# Altium PCB UmTRXv21.PcbDoc (part 17 of 19)
Units mm, origin at the board's own origin, x right, y up, seen from the top; angles counter-clockwise.
Board outline 159.5 x 99.5 mm, 6 copper layers (Top Layer, GND, MidLayer1, Mid-Layer 2, InternalPlane2, Bottom Layer), stack 1.526 mm thick; 716 components, 578 nets, 2850 pads, 1402 vias.
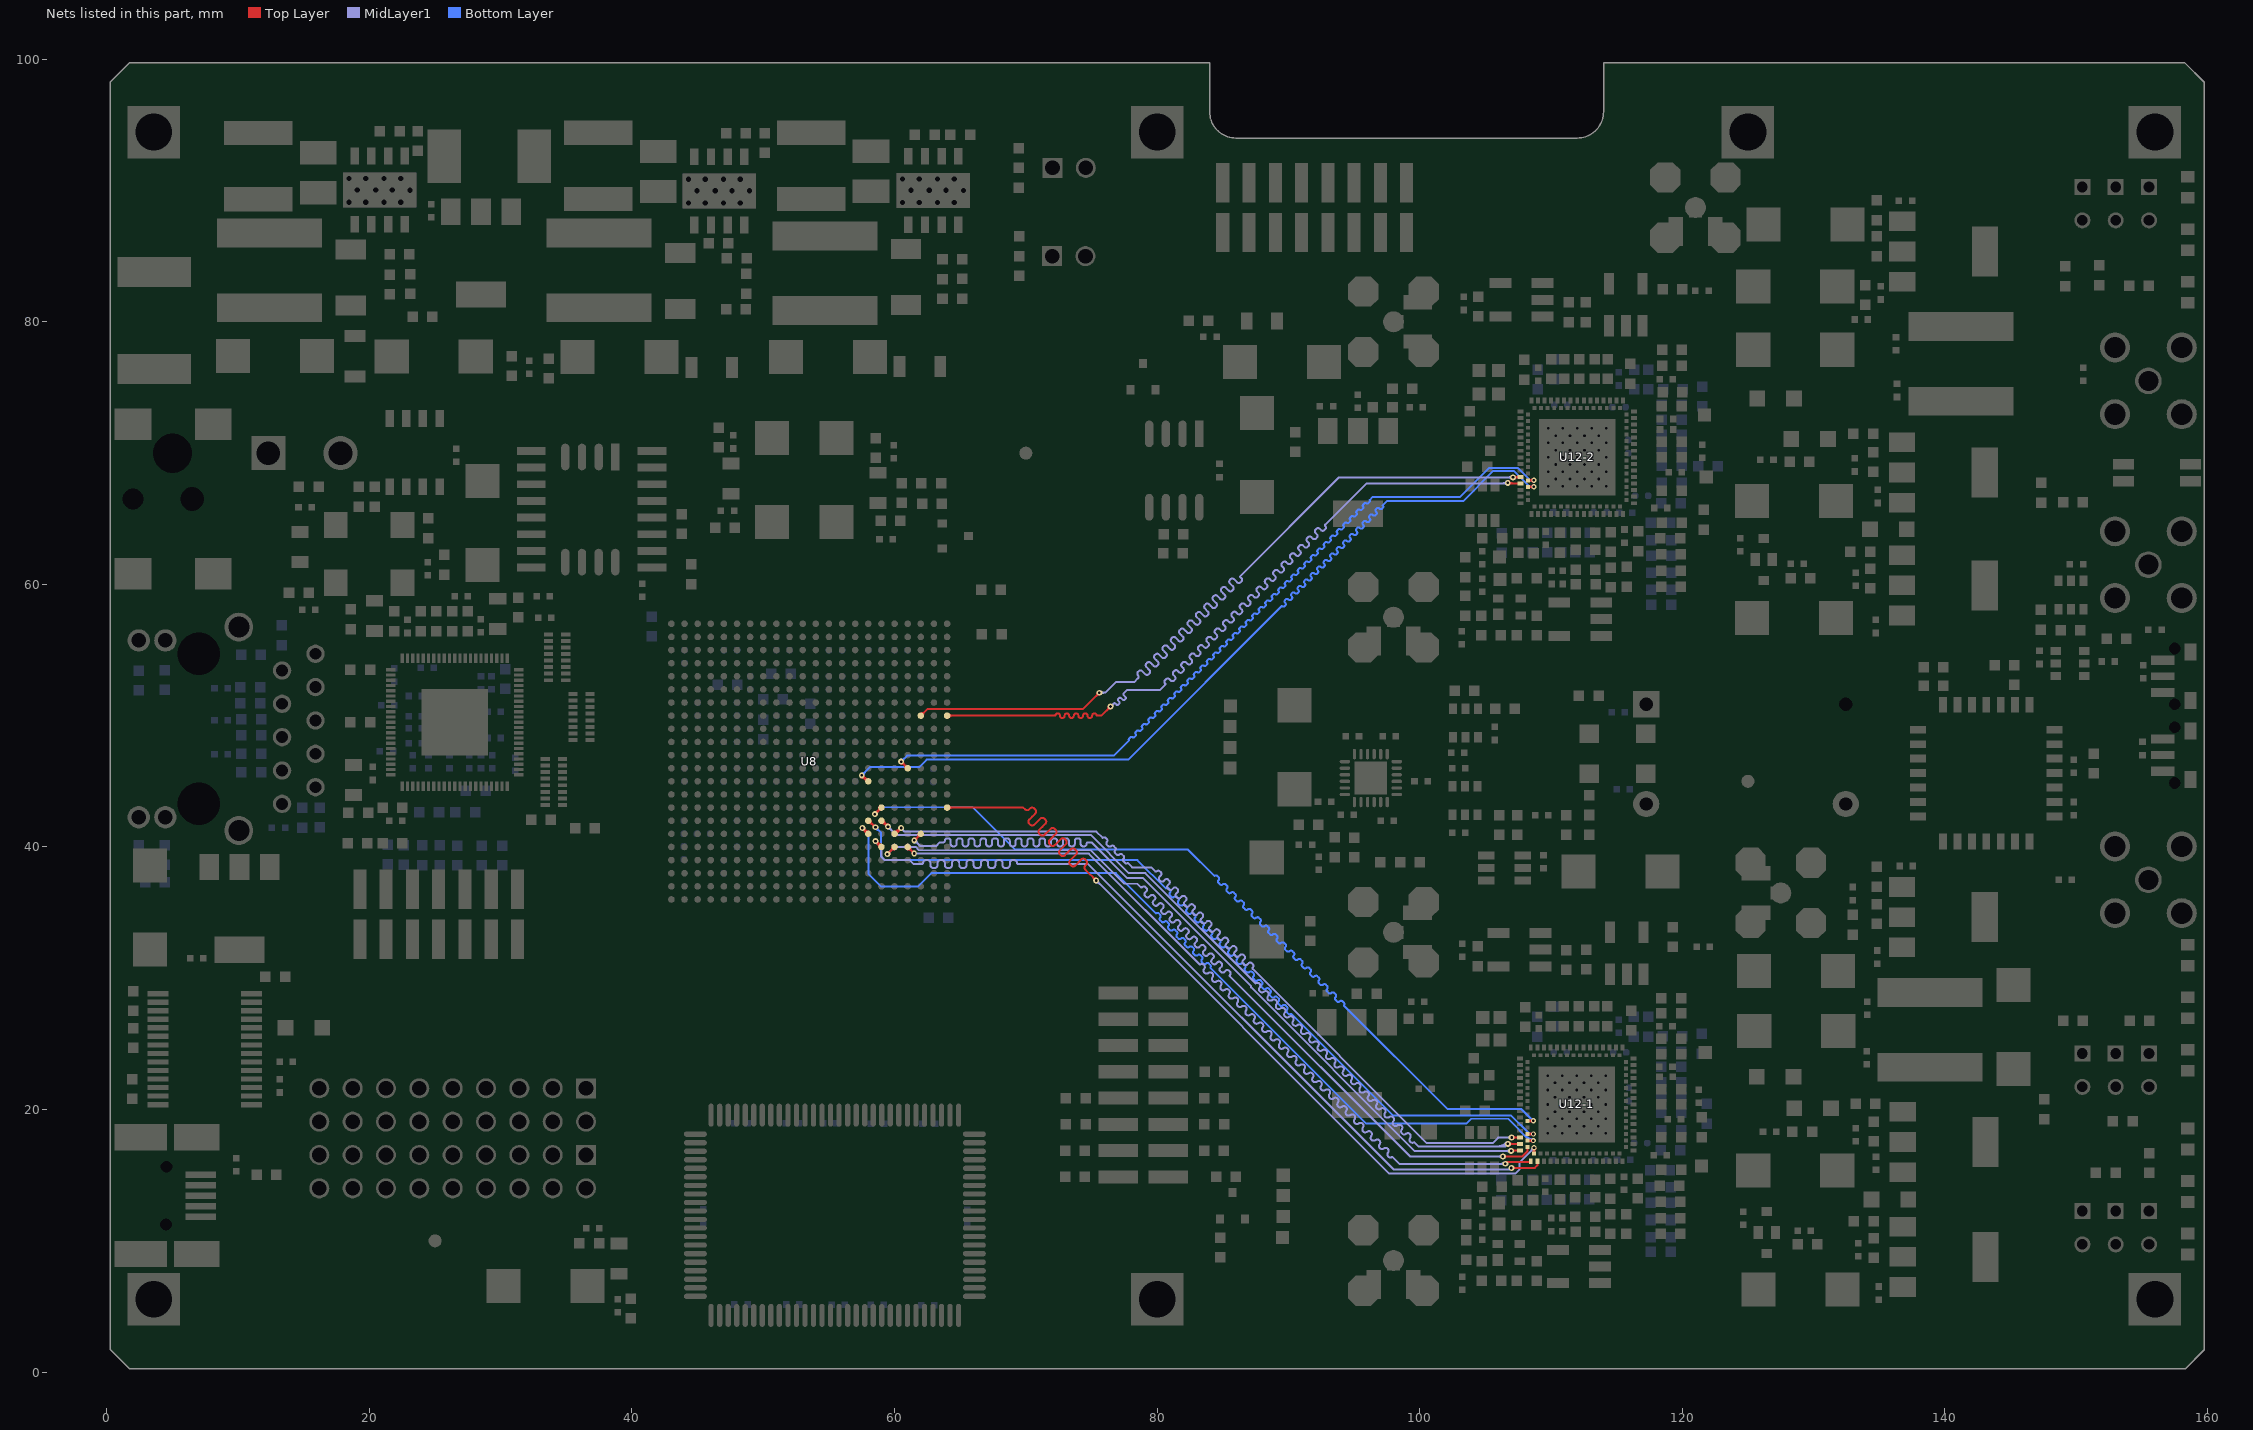
[diagram p21: the nets of this part, all layers, seen from the top]

## Via types
v1: diameter 0.45, hole 0.2, Top Layer to Bottom Layer, tented both sides, 440 vias
v2: diameter 0.5, hole 0.2, Top Layer to Bottom Layer, tented both sides, 423 vias
v3: diameter 0.7, hole 0.3, Top Layer to Bottom Layer, tented both sides, 257 vias
v4: diameter 0.4, hole 0.2, Top Layer to Bottom Layer, tented both sides, 197 vias
v5: diameter 0.8, hole 0.3, Top Layer to Bottom Layer, tented both sides, 63 vias
v6: diameter 0.6, hole 0.25, Top Layer to Bottom Layer, tented both sides, 16 vias
v7: diameter 0.6, hole 0.3, Top Layer to Bottom Layer, tented both sides, 4 vias
v8: diameter 1, hole 0.5, Top Layer to Bottom Layer, tented both sides, 2 vias

## Nets (pads, with @x,y where several pads share a name; then routed paths per layer and width w, separated by ;. In a path a pad name is that pad's centre, name@x,y a point inside that pad or via, vN(x,y) a via of type N, cw(c..) or ccw(c..) an arc to the next point about the centre after c; other vN are vias at no path point) (continued)
TX1D3: U8.G7 U12-1.24 | length 69.8
  Top Layer w0.15: U8.G7@58,41.825 cw(c58,41.282) 58.384,41.666 ; U8.G7@58,42 58.05,42 v1(58.55,41.5) ; U8.G7@58.175,42 ccw(c58.477,42) 58.263,41.787 ; v1@58.4,41.5 ccw(c58.038,41.5) 58.294,41.756 ccw(c58.55,42.012) v1@58.55,41.65
  Top Layer w0.2: U12-1.24@108.207,18.138 v4@108.632,18.138 ; v4@108.586,18.067 ccw(c108.416,17.897) 108.416,18.138 ccw(c108.416,18.379) v4@108.586,18.209
  Bottom Layer w0.15: v1@58.55,41.35 cw(c58.55,40.988) 58.806,41.244 cw(c59.062,41.5) v1@58.7,41.5 ; v1(58.55,41.5) 58.975,41.075 58.975,39.275 59.25,39 78.5,39 80.659,36.841 cw(c80.765,36.735) 80.871,36.841 80.977,36.735 cw(c80.871,36.629) 80.977,36.523 ccw(c81.083,36.417) 80.977,36.311 81.083,36.205 ccw(c81.189,36.311) 81.295,36.205 cw(c81.402,36.098) 81.508,36.205 81.614,36.098 cw(c81.508,35.992) 81.614,35.886 ccw(c81.72,35.78) 81.614,35.674 81.72,35.568 ccw(c81.826,35.674) 81.932,35.568 cw(c82.038,35.462) 82.144,35.568 82.25,35.462 cw(c82.144,35.356) 82.25,35.25 ccw(c82.356,35.144) 82.25,35.038 82.356,34.932 ccw(c82.462,35.038) 82.568,34.932 cw(c82.674,34.826) 82.78,34.932 82.886,34.826 cw(c82.78,34.72) 82.886,34.614 ccw(c82.993,34.507) 82.886,34.401 82.993,34.295 ccw(c83.099,34.401) 83.205,34.295 cw(c83.311,34.189) 83.417,34.295 83.523,34.189 cw(c83.417,34.083) 83.523,33.977 ccw(c83.629,33.871) 83.523,33.765 83.629,33.659 ccw(c83.735,33.765) 83.841,33.659 cw(c83.947,33.553) 84.053,33.659 84.159,33.553 cw(c84.053,33.447) 84.159,33.341 ccw(c84.265,33.235) 84.159,33.129 84.265,33.023 ccw(c84.371,33.129) 84.477,33.023 cw(c84.584,32.916) 84.69,33.023 84.796,32.916 cw(c84.69,32.81) 84.796,32.704 ccw(c84.902,32.598) 84.796,32.492 84.902,32.386 ccw(c85.008,32.492) 85.114,32.386 cw(c85.22,32.28) 85.326,32.386 85.432,32.28 cw(c85.326,32.174) 85.432,32.068 ccw(c85.538,31.962) 85.432,31.856 85.538,31.75 ccw(c85.644,31.856) 85.75,31.75 cw(c85.856,31.644) 85.962,31.75 86.068,31.644 cw(c85.962,31.538) 86.068,31.432 ccw(c86.175,31.325) 86.068,31.219 86.175,31.113 ccw(c86.281,31.219) 86.387,31.113 cw(c86.493,31.007) 86.599,31.113 86.705,31.007 cw(c86.599,30.901) 86.705,30.795 ccw(c86.811,30.689) 86.705,30.583 86.811,30.477 ccw(c86.917,30.583) 87.023,30.477 cw(c87.129,30.371) 87.235,30.477 87.341,30.371 cw(c87.235,30.265) 87.341,30.159 ccw(c87.447,30.053) 87.341,29.947 87.447,29.841 ccw(c87.553,29.947) 87.659,29.841 cw(c87.766,29.734) 87.872,29.841 87.978,29.734 cw(c87.872,29.628) 87.978,29.522 ccw(c88.084,29.416) 87.978,29.31 88.084,29.204 ccw(c88.19,29.31) 88.296,29.204 cw(c88.402,29.098) 88.508,29.204 88.614,29.098 cw(c88.508,28.992) 88.614,28.886 ccw(c88.72,28.78) 88.614,28.674 88.72,28.568 ccw(c88.826,28.674) 88.932,28.568 cw(c89.038,28.462) 89.144,28.568 89.25,28.462 cw(c89.144,28.356) 89.25,28.25 ccw(c89.356,28.144) 89.25,28.037 89.356,27.931 ccw(c89.463,28.037) 89.569,27.931 cw(c89.675,27.825) 89.781,27.931 89.887,27.825 cw(c89.781,27.719) 89.887,27.613 ccw(c89.993,27.507) 89.887,27.401 89.993,27.295 ccw(c90.099,27.401) 90.205,27.295 97.949,19.551 106.949,19.551 108.362,18.138 ; v4@108.567,18.051 ccw(c108.362,17.852) 108.362,18.138 ; v4@108.567,18.225 cw(c108.362,18.424) 108.362,18.138 ; v4(108.657,18.138) 108.362,18.138
TX1D4: U8.F5 U12-1.25 | length 71.9
  Top Layer w0.15: U8.F5@59.988,41.175 ccw(c59.955,41.653) v1@60.371,41.413 ; U8.F5@59.998,41.025 ccw(c59.978,41.315) 60.23,41.169 ; U8.F5@60,41 60.05,41 v1(60.5,41.45) v1@60.55,41.5 ; U8.F5@60,41.175 ccw(c60,41.718) v1@60.384,41.334 ; U8.F5@60.055,41.166 ccw(c60.114,41.345) 60.277,41.251 ; U8.F5@60.17,40.957 cw(c60.705,40.822) v1@60.429,41.301 ; U8.F5@60.174,41.021 cw(c60.361,41.043) 60.267,41.207 ; U8.F5@60.175,41 cw(c60.477,41) 60.263,41.213 ; v1@60.35,41.45 cw(c59.988,41.45) 60.244,41.194 cw(c60.5,40.938) v1@60.5,41.3 ; v1(106.999,17.87) 106.981,17.888 U12-1.25@107.632,17.888 ; v1@107.105,17.764 cw(c107.404,17.465) 107.404,17.888 ; v1@107.105,17.976 ccw(c107.318,18.189) 107.318,17.888 ; U8.F5@60.045,41.169 ccw(c60.114,41.425) 60.247,41.196 cw(c60.114,41.425) U8.F5@60.045,41.169
  MidLayer1 w0.15: v1@60.5,41.3 cw(c60.5,41.059) 60.671,41.229 ; v1@60.55,41.5 60.55,41.35 60.725,41.175 ; v1@60.648,41.423 ccw(c60.923,41.373) 60.725,41.175 ; 86.641,31.458 86.542,31.359 ccw(c86.669,31.232) 86.542,31.105 86.605,31.041 ccw(c86.733,31.168) 86.86,31.041 86.909,31.091 86.959,31.14 cw(c87.086,31.013) 87.213,31.14 87.277,31.076 cw(c87.15,30.949) 87.277,30.822 ccw(c87.327,30.772) 87.277,30.723 100.55,17.45 105.55,17.45 105.97,17.87 v1(106.999,17.87) ; 86.641,31.458 ccw(c86.513,31.586) 86.641,31.713 86.577,31.776 ccw(c86.45,31.649) 86.323,31.776 86.273,31.727 86.224,31.677 cw(c86.096,31.805) 85.969,31.677 85.905,31.741 cw(c86.033,31.868) 85.905,31.996 86.004,32.095 ccw(c85.877,32.222) 86.004,32.349 85.941,32.413 ccw(c85.813,32.286) 85.686,32.413 85.587,32.314 cw(c85.46,32.441) 85.333,32.314 85.269,32.377 cw(c85.396,32.505) 85.269,32.632 85.368,32.731 ccw(c85.241,32.858) 85.368,32.986 85.304,33.049 ccw(c85.177,32.922) 85.05,33.049 84.951,32.95 cw(c84.823,33.078) 84.696,32.95 84.633,33.014 cw(c84.76,33.141) 84.633,33.268 84.682,33.318 84.732,33.367 ccw(c84.604,33.495) 84.732,33.622 84.668,33.686 ccw(c84.541,33.558) 84.413,33.686 84.314,33.587 cw(c84.187,33.714) 84.06,33.587 83.996,33.65 cw(c84.123,33.778) 83.996,33.905 84.046,33.954 84.095,34.004 ccw(c83.968,34.131) 84.095,34.258 84.032,34.322 ccw(c83.904,34.195) 83.777,34.322 83.678,34.223 cw(c83.551,34.35) 83.423,34.223 83.36,34.287 cw(c83.487,34.414) 83.36,34.541 83.459,34.64 ccw(c83.331,34.768) 83.459,34.895 83.395,34.958 ccw(c83.268,34.831) 83.141,34.958 83.042,34.859 cw(c82.914,34.987) 82.787,34.859 82.723,34.923 cw(c82.851,35.05) 82.723,35.178 82.822,35.277 ccw(c82.695,35.404) 82.822,35.531 82.759,35.595 ccw(c82.631,35.468) 82.504,35.595 82.455,35.545 82.405,35.496 cw(c82.278,35.623) 82.151,35.496 82.087,35.559 cw(c82.214,35.687) 82.087,35.814 82.186,35.913 ccw(c82.059,36.04) 82.186,36.168 82.122,36.231 ccw(c81.995,36.104) 81.868,36.231 81.818,36.182 81.769,36.132 cw(c81.642,36.26) 81.514,36.132 81.451,36.196 cw(c81.578,36.323) 81.451,36.45 81.55,36.549 ccw(c81.422,36.677) 81.55,36.804 81.486,36.868 ccw(c81.359,36.74) 81.231,36.868 81.132,36.769 cw(c81.005,36.896) 80.878,36.769 80.814,36.832 cw(c80.941,36.96) 80.814,37.087 80.913,37.186 ccw(c80.786,37.313) 80.913,37.44 80.85,37.504 ccw(c80.722,37.377) 80.595,37.504 80.496,37.405 cw(c80.369,37.532) 80.241,37.405 80.178,37.469 cw(c80.305,37.596) 80.178,37.723 80.227,37.773 80.277,37.822 ccw(c80.15,37.949) 80.277,38.077 80.213,38.14 ccw(c80.086,38.013) 79.959,38.14 cw(c79.909,38.19) 79.86,38.14 79.55,38.45 78.1,38.45 77.762,38.788 cw(c77.655,38.895) 77.549,38.788 77.443,38.895 cw(c77.549,39.001) 77.443,39.107 ccw(c77.337,39.213) 77.443,39.319 77.337,39.425 ccw(c77.231,39.319) 77.125,39.425 cw(c77.019,39.531) 76.913,39.425 76.807,39.531 cw(c76.913,39.637) 76.807,39.743 ccw(c76.701,39.849) 76.807,39.955 76.701,40.061 ccw(c76.595,39.955) 76.489,40.061 cw(c76.383,40.167) 76.277,40.061 76.171,40.167 cw(c76.277,40.273) 76.171,40.379 ccw(c76.064,40.486) 76.171,40.592 76.064,40.698 ccw(c75.958,40.592) 75.852,40.698 75.375,41.175 62.78,41.175 62.22,41.175 60.78,41.175 60.725,41.175 ; v1@106.893,17.764 ccw(c106.637,17.508) 106.637,17.87 ccw(c106.637,18.232) v1@106.893,17.976
TX1D5: U8.F7 U12-1.26 | length 72.7
  Top Layer w0.15: v1@57.55,41.3 cw(c57.55,40.938) 57.806,41.194 cw(c58.062,41.45) v1@57.7,41.45 ; v1(57.55,41.45) U8.F7@58,41 ; v1@57.608,41.308 cw(c57.387,40.925) U8.F7@57.826,40.979 ; v1@57.692,41.392 ccw(c58.075,41.613) U8.F7@58.021,41.174 ; 57.771,41.214 cw(c57.701,41.095) U8.F7@57.833,41.053 ; 57.786,41.229 ccw(c57.905,41.298) U8.F7@57.947,41.167 ; U8.F7@57.825,41 ccw(c57.403,41) 57.701,41.299 ccw(c58,41.597) U8.F7@58,41.175 ; 57.813,41.182 cw(c57.657,41.092) 57.831,41.045 ccw(c57.657,41.092) 57.813,41.182 ; 57.818,41.187 ccw(c57.908,41.343) 57.955,41.169 cw(c57.908,41.343) 57.818,41.187
  Top Layer w0.2: U12-1.26@108.207,17.638 v4@108.632,17.638 ; v4@108.586,17.567 ccw(c108.416,17.397) 108.416,17.638 ccw(c108.416,17.879) v4@108.586,17.709
  Bottom Layer w0.15: v1@57.55,41.3 cw(c57.55,40.938) 57.806,41.194 cw(c58.062,41.45) v1@57.7,41.45 ; v1(57.55,41.45) 58,41 58,37.95 58.95,37 61.8,37 62.8,38 76.85,38 79.909,34.941 cw(c80.015,34.835) 80.121,34.941 80.227,34.835 cw(c80.121,34.729) 80.227,34.623 ccw(c80.333,34.517) 80.227,34.411 80.333,34.305 ccw(c80.439,34.411) 80.545,34.305 cw(c80.652,34.198) 80.758,34.305 80.864,34.198 cw(c80.758,34.092) 80.864,33.986 ccw(c80.97,33.88) 80.864,33.774 80.97,33.668 ccw(c81.076,33.774) 81.182,33.668 cw(c81.288,33.562) 81.394,33.668 81.5,33.562 cw(c81.394,33.456) 81.5,33.35 ccw(c81.606,33.244) 81.5,33.138 81.606,33.032 ccw(c81.712,33.138) 81.818,33.032 cw(c81.924,32.926) 82.03,33.032 82.136,32.926 cw(c82.03,32.82) 82.136,32.714 ccw(c82.243,32.607) 82.136,32.501 82.243,32.395 ccw(c82.349,32.501) 82.455,32.395 cw(c82.561,32.289) 82.667,32.395 82.773,32.289 cw(c82.667,32.183) 82.773,32.077 ccw(c82.879,31.971) 82.773,31.865 82.879,31.759 ccw(c82.985,31.865) 83.091,31.759 cw(c83.197,31.653) 83.303,31.759 83.409,31.653 cw(c83.303,31.547) 83.409,31.441 ccw(c83.515,31.335) 83.409,31.229 83.515,31.123 ccw(c83.621,31.229) 83.727,31.123 cw(c83.834,31.016) 83.94,31.123 84.046,31.016 cw(c83.94,30.91) 84.046,30.804 95.925,18.925 103.55,18.925 103.926,19.301 106.724,19.301 108.387,17.638 ; 107.983,18.042 ccw(c108.657,18.717) v4@108.657,17.763 ; 108.239,17.786 ccw(c108.657,18.205) v4@108.657,17.613 ; v4@108.562,17.557 ccw(c108.387,17.409) 108.387,17.638 ; v4@108.562,17.719 cw(c108.387,17.867) 108.387,17.638 ; v4(108.657,17.638) 108.387,17.638
TX1D6: U8.G6 U12-1.27 | length 71.1
  Top Layer w0.15: U8.G6@59,41.825 cw(c59,41.403) 59.299,41.701 cw(c59.597,42) U8.G6@59.175,42 ; U8.G6@59,42 59.45,41.55 v1(59.5,41.55) ; U8.G6@59.045,41.831 cw(c59.103,41.614) 59.216,41.809 ; U8.G6@59.159,41.841 ccw(c59.5,42.183) v1@59.5,41.7 ; U8.G6@59.172,42.03 ccw(c59.643,42.114) v1@59.404,41.7 ; 59.279,41.721 cw(c59.109,41.55) v1@59.35,41.55 ; v1(106.708,17.383) U12-1.27@107.632,17.388 ; v1@106.814,17.49 ccw(c107.068,17.747) 107.07,17.385 ccw(c107.072,17.023) v1@106.815,17.278
  MidLayer1 w0.15: v1@59.5,41.4 cw(c59.5,41.038) 59.756,41.294 cw(c60.012,41.55) v1@59.65,41.55 ; v1(59.5,41.55) 60.1,40.95 60.1,40.925 60.324,40.925 60.676,40.925 62.324,40.925 62.676,40.925 74.925,40.925 77.85,38 79.1,38 87.49,29.61 cw(c87.631,29.432) 87.809,29.291 ccw(c87.986,29.151) 88.127,28.973 cw(c88.267,28.795) 88.445,28.655 ccw(c88.623,28.515) 88.763,28.337 cw(c88.903,28.159) 89.081,28.019 ccw(c89.259,27.878) 89.399,27.701 cw(c89.54,27.523) 89.718,27.382 ccw(c89.896,27.242) 90.036,27.064 cw(c90.176,26.886) 90.354,26.746 ccw(c90.532,26.606) 90.672,26.428 cw(c90.813,26.25) 90.99,26.11 ccw(c91.168,25.969) 91.309,25.791 cw(c91.449,25.613) 91.627,25.473 ccw(c91.805,25.333) 91.945,25.155 cw(c92.085,24.977) 92.263,24.837 ccw(c92.441,24.696) 92.581,24.519 cw(c92.722,24.341) 92.9,24.2 ccw(c93.078,24.06) 93.218,23.882 cw(c93.358,23.704) 93.536,23.564 ccw(c93.714,23.424) 93.854,23.246 cw(c93.995,23.068) 94.172,22.928 ccw(c94.35,22.787) 94.491,22.609 cw(c94.631,22.431) 94.809,22.291 ccw(c94.987,22.151) 95.127,21.973 cw(c95.267,21.795) 95.445,21.655 ccw(c95.623,21.514) 95.763,21.337 cw(c95.904,21.159) 96.082,21.018 ccw(c96.26,20.878) 96.4,20.7 cw(c96.54,20.522) 96.718,20.382 ccw(c96.896,20.242) 97.036,20.064 cw(c97.177,19.886) 97.354,19.746 ccw(c97.532,19.605) 97.673,19.427 cw(c97.813,19.249) 97.991,19.109 ccw(c98.169,18.969) 98.309,18.791 cw(c98.449,18.613) 98.627,18.473 ccw(c98.805,18.332) 98.945,18.155 cw(c99.086,17.977) 99.264,17.836 ccw(c99.441,17.696) 99.582,17.518 99.9,17.2 106.525,17.2 v1(106.708,17.383) cw(c106.266,17.826) 106.266,17.2 ; 105.904,17.2 ccw(c105.904,18.188) v1@106.602,17.489
TX1D7: U8.E5 U12-1.28 | length 70.1
  Top Layer w0.15: v1(59.45,39.45) U8.E5@60,40 ; v1@59.45,39.6 ccw(c59.45,39.962) 59.706,39.706 ccw(c59.962,39.45) v1@59.6,39.45 ; U8.E5@59.825,40 cw(c59.403,40) 59.701,39.701 cw(c60,39.403) U8.E5@60,39.825 ; v1(106.33,16.426) 107.792,16.426 108.207,16.841 U12-1.28@108.207,17.138 ; v1@106.436,16.32 cw(c106.692,16.064) 106.692,16.426 cw(c106.692,16.788) v1@106.436,16.532
  MidLayer1 w0.15: v1(59.45,39.45) 60,40 61.601,40 61.851,39.751 ; v1@59.45,39.6 ccw(c59.45,39.962) 59.706,39.706 ccw(c59.962,39.45) v1@59.6,39.45 ; 61.85,39.75 74.95,39.75 77.5,37.2 78.5,37.2 78.76,36.94 ccw(c78.809,36.99) 78.859,36.94 cw(c78.986,36.813) 79.113,36.94 79.177,36.877 cw(c79.05,36.749) 79.177,36.622 79.127,36.573 79.078,36.523 ccw(c79.205,36.396) 79.078,36.269 79.141,36.205 ccw(c79.269,36.332) 79.396,36.205 79.495,36.304 cw(c79.622,36.177) 79.75,36.304 79.813,36.24 cw(c79.686,36.113) 79.813,35.986 79.714,35.887 ccw(c79.841,35.76) 79.714,35.632 79.778,35.569 ccw(c79.905,35.696) 80.032,35.569 80.131,35.668 cw(c80.259,35.54) 80.386,35.668 80.45,35.604 cw(c80.322,35.477) 80.45,35.349 80.351,35.25 ccw(c80.478,35.123) 80.351,34.996 80.414,34.932 ccw(c80.542,35.059) 80.669,34.932 80.718,34.982 80.768,35.031 cw(c80.895,34.904) 81.022,35.031 81.086,34.968 cw(c80.959,34.84) 81.086,34.713 80.987,34.614 ccw(c81.114,34.487) 80.987,34.359 81.051,34.296 ccw(c81.178,34.423) 81.305,34.296 81.355,34.345 81.404,34.395 cw(c81.531,34.268) 81.659,34.395 81.722,34.331 cw(c81.595,34.204) 81.722,34.077 81.623,33.978 ccw(c81.751,33.85) 81.623,33.723 81.687,33.659 ccw(c81.814,33.787) 81.942,33.659 82.041,33.758 cw(c82.168,33.631) 82.295,33.758 82.359,33.695 cw(c82.231,33.568) 82.359,33.44 82.26,33.341 ccw(c82.387,33.214) 82.26,33.087 82.323,33.023 ccw(c82.451,33.15) 82.578,33.023 82.677,33.122 cw(c82.804,32.995) 82.932,33.122 82.995,33.058 cw(c82.868,32.931) 82.995,32.804 82.946,32.754 82.896,32.705 ccw(c83.023,32.578) 82.896,32.45 82.96,32.387 ccw(c83.087,32.514) 83.214,32.387 83.313,32.486 cw(c83.441,32.358) 83.568,32.486 83.632,32.422 cw(c83.504,32.295) 83.632,32.167 83.582,32.118 83.533,32.068 ccw(c83.66,31.941) 83.533,31.814 83.596,31.75 ccw(c83.723,31.878) 83.851,31.75 83.95,31.849 cw(c84.077,31.722) 84.204,31.849 84.268,31.786 cw(c84.141,31.658) 84.268,31.531 84.169,31.432 ccw(c84.296,31.305) 84.169,31.177 84.233,31.114 ccw(c84.36,31.241) 84.487,31.114 84.586,31.213 cw(c84.713,31.086) 84.841,31.213 84.904,31.149 cw(c84.777,31.022) 84.904,30.895 84.805,30.796 ccw(c84.933,30.668) 84.805,30.541 84.869,30.477 ccw(c84.996,30.605) 85.124,30.477 85.173,30.527 85.223,30.576 cw(c85.35,30.449) 85.477,30.576 85.541,30.513 cw(c85.413,30.386) 85.541,30.258 ccw(c85.59,30.209) 85.541,30.159 99.274,16.426 v1(106.33,16.426) ; v1@106.224,16.32 ccw(c105.968,16.064) 105.968,16.426 ccw(c105.968,16.788) v1@106.224,16.532
TX1D8: U8.F3 U12-1.29 | length 70.5
  Top Layer w0.15: v1(61.5,40.5) U8.F3@62,41 ; v1@61.5,40.65 ccw(c61.5,41.012) 61.756,40.756 ccw(c62.012,40.5) v1@61.65,40.5 ; U8.F3@61.825,41 cw(c61.403,41) 61.701,40.701 cw(c62,40.403) U8.F3@62,40.825 ; v1(106.961,16.858) 106.991,16.888 U12-1.29@107.632,16.888 ; v1@107.067,16.752 cw(c107.395,16.424) 107.395,16.888 ; v1@107.067,16.964 ccw(c107.251,17.148) 107.251,16.888
  MidLayer1 w0.15: v1@61.5,40.35 cw(c61.5,39.878) 61.834,40.212 ; v1(61.5,40.5) 61.545,40.5 61.97,40.075 63.175,40.075 63.45,40.35 63.705,40.35 ccw(c63.705,40.47) 63.825,40.47 cw(c64.005,40.47) 64.005,40.65 64.095,40.65 cw(c64.095,40.47) 64.275,40.47 64.275,40.23 ccw(c64.455,40.23) 64.455,40.05 64.545,40.05 ccw(c64.545,40.23) 64.725,40.23 64.725,40.47 cw(c64.905,40.47) 64.905,40.65 64.995,40.65 cw(c64.995,40.47) 65.175,40.47 65.175,40.23 ccw(c65.355,40.23) 65.355,40.05 65.445,40.05 ccw(c65.445,40.23) 65.625,40.23 65.625,40.47 cw(c65.805,40.47) 65.805,40.65 65.895,40.65 cw(c65.895,40.47) 66.075,40.47 66.075,40.23 ccw(c66.255,40.23) 66.255,40.05 66.345,40.05 ccw(c66.345,40.23) 66.525,40.23 66.525,40.47 cw(c66.705,40.47) 66.705,40.65 66.795,40.65 cw(c66.795,40.47) 66.975,40.47 66.975,40.23 ccw(c67.155,40.23) 67.155,40.05 67.245,40.05 ccw(c67.245,40.23) 67.425,40.23 67.425,40.47 cw(c67.605,40.47) 67.605,40.65 67.695,40.65 cw(c67.695,40.47) 67.875,40.47 67.875,40.23 ccw(c68.055,40.23) 68.055,40.05 68.145,40.05 ccw(c68.145,40.23) 68.325,40.23 68.325,40.47 cw(c68.505,40.47) 68.505,40.65 68.595,40.65 cw(c68.595,40.47) 68.775,40.47 68.775,40.23 ccw(c68.955,40.23) 68.955,40.05 69.045,40.05 ccw(c69.045,40.23) 69.225,40.23 69.225,40.47 cw(c69.405,40.47) 69.405,40.65 69.495,40.65 cw(c69.495,40.47) 69.675,40.47 69.675,40.23 ccw(c69.855,40.23) 69.855,40.05 69.945,40.05 ccw(c69.945,40.23) 70.125,40.23 70.125,40.47 cw(c70.305,40.47) 70.305,40.65 70.395,40.65 cw(c70.395,40.47) 70.575,40.47 70.575,40.23 ccw(c70.755,40.23) 70.755,40.05 70.845,40.05 ccw(c70.845,40.23) 71.025,40.23 71.025,40.47 cw(c71.205,40.47) 71.205,40.65 71.295,40.65 cw(c71.295,40.47) 71.475,40.47 71.475,40.23 ccw(c71.655,40.23) 71.655,40.05 71.745,40.05 ccw(c71.745,40.23) 71.925,40.23 71.925,40.47 cw(c72.105,40.47) 72.105,40.65 72.195,40.65 cw(c72.195,40.47) 72.375,40.47 72.375,40.23 ccw(c72.555,40.23) 72.555,40.05 72.645,40.05 ccw(c72.645,40.23) 72.825,40.23 72.825,40.47 cw(c73.005,40.47) 73.005,40.65 73.095,40.65 cw(c73.095,40.47) 73.275,40.47 73.275,40.23 ccw(c73.455,40.23) 73.455,40.05 73.545,40.05 ccw(c73.545,40.23) 73.725,40.23 73.725,40.47 cw(c73.905,40.47) 73.905,40.65 73.995,40.65 cw(c73.995,40.47) 74.175,40.47 74.175,40.23 ccw(c74.355,40.23) 74.355,40.05 74.445,40.05 ccw(c74.445,40.23) 74.625,40.23 cw(c74.745,40.23) 74.745,40.35 75,40.35 77.725,37.625 78.925,37.625 87.15,29.4 87.15,29.3 99.625,16.826 106.929,16.826 v1(106.961,16.858) ; v1@61.65,40.5 ccw(c61.902,40.5) 61.724,40.321 ; 106.521,16.826 ccw(c106.521,17.299) v1@106.855,16.964 ; 106.677,16.826 cw(c106.677,16.574) v1@106.855,16.752
TX1D9: U8.E4 U12-1.30 | length 68.9
  Top Layer w0.15: U8.E4@61,39.825 cw(c61,39.403) 61.299,39.701 cw(c61.597,40) U8.E4@61.175,40 ; U8.E4@61,40 v1(61.5,39.5) ; v1@61.35,39.5 ccw(c60.988,39.5) 61.244,39.756 ccw(c61.5,40.012) v1@61.5,39.65 ; v1(106.523,15.876) 106.655,16.008 108.402,16.008 U12-1.30@108.457,16.063
  MidLayer1 w0.15: v1(61.5,39.5) 74.8,39.5 83.263,31.037 cw(c83.403,30.859) 83.581,30.719 ccw(c83.759,30.579) 83.899,30.401 cw(c84.04,30.223) 84.218,30.082 ccw(c84.395,29.942) 84.536,29.764 cw(c84.676,29.586) 84.854,29.446 ccw(c85.032,29.306) 85.172,29.128 cw(c85.312,28.95) 85.49,28.81 ccw(c85.668,28.669) 85.809,28.492 cw(c85.949,28.314) 86.127,28.173 ccw(c86.305,28.033) 86.445,27.855 cw(c86.585,27.677) 86.763,27.537 ccw(c86.941,27.397) 87.081,27.219 cw(c87.222,27.041) 87.399,26.901 ccw(c87.577,26.76) 87.718,26.582 cw(c87.858,26.404) 88.036,26.264 ccw(c88.214,26.124) 88.354,25.946 cw(c88.494,25.768) 88.672,25.628 ccw(c88.85,25.487) 88.99,25.31 cw(c89.131,25.132) 89.309,24.991 ccw(c89.487,24.851) 89.627,24.673 cw(c89.767,24.495) 89.945,24.355 ccw(c90.123,24.215) 90.263,24.037 cw(c90.404,23.859) 90.581,23.719 ccw(c90.759,23.578) 90.9,23.4 cw(c91.04,23.222) 91.218,23.082 ccw(c91.396,22.942) 91.536,22.764 cw(c91.676,22.586) 91.854,22.446 ccw(c92.032,22.305) 92.172,22.128 cw(c92.313,21.95) 92.491,21.809 ccw(c92.669,21.669) 92.809,21.491 cw(c92.949,21.313) 93.127,21.173 ccw(c93.305,21.033) 93.445,20.855 cw(c93.586,20.677) 93.763,20.537 ccw(c93.941,20.396) 94.082,20.218 cw(c94.222,20.04) 94.4,19.9 ccw(c94.578,19.76) 94.718,19.582 cw(c94.858,19.404) 95.036,19.264 ccw(c95.214,19.123) 95.354,18.946 cw(c95.495,18.768) 95.673,18.627 ccw(c95.85,18.487) 95.991,18.309 cw(c96.131,18.131) 96.309,17.991 ccw(c96.487,17.851) 96.627,17.673 cw(c96.768,17.495) 96.945,17.355 ccw(c97.123,17.214) 97.264,17.036 cw(c97.404,16.859) 97.582,16.718 ccw(c97.76,16.578) 97.9,16.4 98.442,15.858 106.505,15.858 v1(106.523,15.876) ; 106.118,15.858 ccw(c106.118,16.28) v1@106.417,15.982 ; 106.203,15.858 cw(c106.203,15.556) v1@106.417,15.77